# Altium PCB mother_board.PcbDoc (part 4 of 5) (continued)
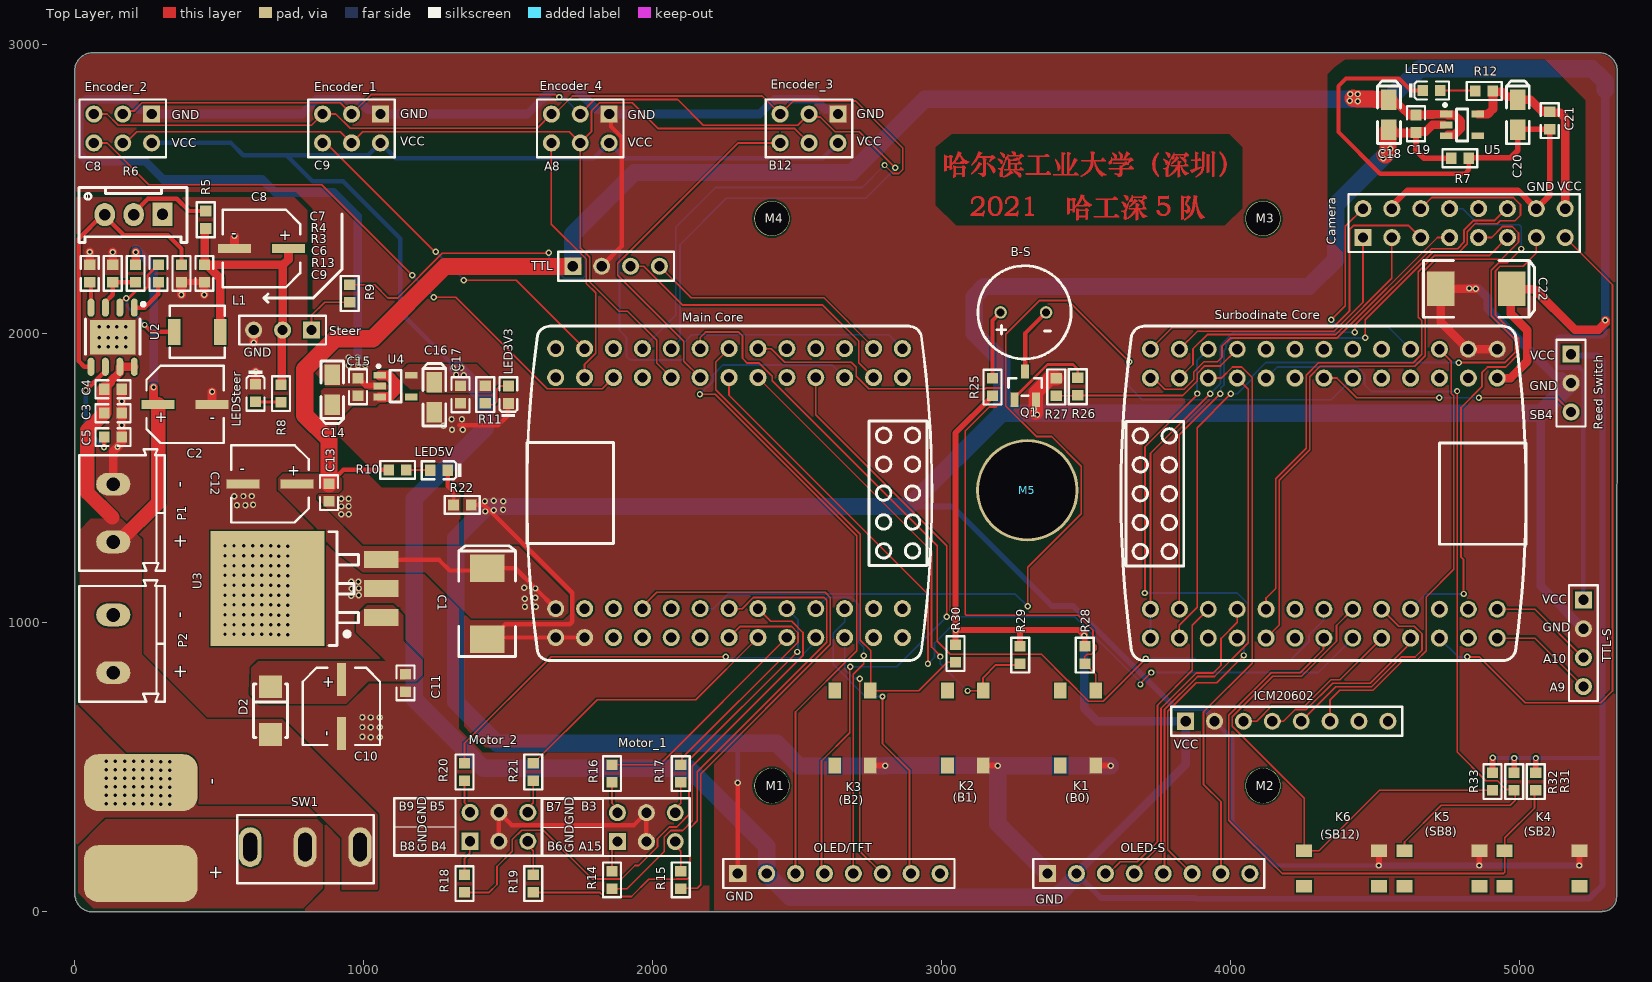
[diagram p0: Top Layer view]
## Nets (pads, with @x,y where several pads share a name; then routed paths per layer and width w, separated by ;. In a path a pad name is that pad's centre, name@x,y a point inside that pad or via, vN(x,y) a via of type N, cw(c..) or ccw(c..) an arc to the next point about the centre after c; other vN are vias at no path point) (continued)
3680.6,2413.35 ; 3672.2,2414.4 3680.6,2414.4 ; 3672.2,2415.45 3680.6,2415.45 ; 3672.2,2416.5 3680.6,2416.5 ; 3672.2,2417.55 3680.6,2417.55 ; 3672.2,2418.6 3680.6,2418.6 ; 3672.2,2419.65 3680.6,2419.65 ; 3672.2,2420.7 3680.6,2420.7 ; 3672.2,2421.75 3680.6,2421.75 ; 3672.2,2422.8 3680.6,2422.8 ; 3672.2,2423.85 3680.6,2423.85 ; 3672.2,2436.45 3680.6,2436.45 ; 3672.2,2437.5 3680.6,2437.5 ; 3672.2,2438.55 3680.6,2438.55 ; 3672.2,2439.6 3680.6,2439.6 ; 3672.2,2440.65 3680.6,2440.65 ; 3672.2,2441.7 3680.6,2441.7 ; 3672.2,2442.75 3680.6,2442.75 ; 3672.2,2443.8 3680.6,2443.8 ; 3672.2,2444.85 3680.6,2444.85 ; 3672.2,2445.9 3681.65,2445.9 ; 3672.2,2446.95 3683.75,2446.95 ; 3672.2,2448 3683.75,2448 ; 3672.2,2449.05 3682.7,2449.05 ; 3672.2,2450.1 3680.6,2450.1 ; 3672.2,2451.15 3677.45,2451.15 ; 3680.6,2463.75 3685.85,2463.75 ; 3680.6,2464.8 3683.75,2464.8 ; 3681.65,2462.7 3689,2462.7 ; 3682.7,2430.15 3685.85,2430.15 ; 3682.7,2431.2 3685.85,2431.2 ; 3682.7,2432.25 3685.85,2432.25 ; 3682.7,2461.65 3691.1,2461.65 ; 3683.75,2425.95 3687.95,2425.95 ; 3683.75,2427 3687.95,2427 ; 3683.75,2428.05 3686.9,2428.05 ; 3683.75,2429.1 3686.9,2429.1 ; 3683.75,2460.6 3694.25,2460.6 ; 3684.8,2422.8 3690.05,2422.8 ; 3684.8,2423.85 3690.05,2423.85 ; 3684.8,2424.9 3689,2424.9 ; 3685.85,2419.65 3693.2,2419.65 ; 3685.85,2420.7 3692.15,2420.7 ; 3685.85,2421.75 3691.1,2421.75 ; 3685.85,2459.55 3696.35,2459.55 ; 3686.9,2417.55 3695.3,2417.55 ; 3686.9,2418.6 3694.25,2418.6 ; 3686.9,2458.5 3697.4,2458.5 ; 3687.95,2415.45 3697.4,2415.45 ; 3687.95,2416.5 3696.35,2416.5 ; 3687.95,2457.45 3699.5,2457.45 ; 3689,2413.35 3700.55,2413.35 ; 3689,2414.4 3698.45,2414.4 ; 3689,2456.4 3700.55,2456.4 ; 3690.05,2412.3 3701.6,2412.3 ; 3690.05,2455.35 3700.55,2455.35 ; 3691.1,2410.2 3705.8,2410.2 ; 3691.1,2411.25 3703.7,2411.25 ; 3691.1,2454.3 3701.6,2454.3 ; 3692.15,2409.15 3707.9,2409.15 ; 3692.15,2453.25 3701.6,2453.25 ; 3693.2,2407.05 3711.05,2407.05 ; 3693.2,2408.1 3710,2408.1 ; 3693.2,2451.15 3701.6,2451.15 ; 3693.2,2452.2 3701.6,2452.2 ; 3693.2,2462.7 3696.35,2462.7 ; 3694.25,2406 3704.75,2406 ; 3694.25,2450.1 3701.6,2450.1 ; 3694.25,2461.65 3695.3,2461.65 ; 3694.25,2463.75 3697.4,2463.75 ; 3694.25,2464.8 3698.45,2464.8 ; 3694.25,2465.85 3699.5,2465.85 ; 3695.3,2404.95 3702.65,2404.95 ; 3695.3,2436.45 3706.85,2436.45 ; 3695.3,2449.05 3701.6,2449.05 ; 3695.3,2466.9 3701.6,2466.9 ; 3695.3,2467.95 3703.7,2467.95 ; 3695.3,2469 3708.95,2469 ; 3696.35,2403.9 3701.6,2403.9 ; 3696.35,2437.5 3705.8,2437.5 ; 3696.35,2438.55 3704.75,2438.55 ; 3696.35,2446.95 3701.6,2446.95 ; 3696.35,2448 3701.6,2448 ; 3696.35,2470.05 3710,2470.05 ; 3696.35,2471.1 3710,2471.1 ; 3696.35,2475.3 3706.85,2475.3 ; 3697.4,2402.85 3700.55,2402.85 ; 3697.4,2439.6 3703.7,2439.6 ; 3697.4,2445.9 3700.55,2445.9 ; 3697.4,2476.35 3705.8,2476.35 ; 3698.45,2440.65 3702.65,2440.65 ; 3698.45,2441.7 3700.55,2441.7 ; 3698.45,2477.4 3704.75,2477.4 ; 3698.45,2478.45 3703.7,2478.45 ; 3699.5,2479.5 3702.65,2479.5 ; 3728.9,2584.5 3738.35,2584.5 ; 3728.9,2585.55 3738.35,2585.55 ; 3728.9,2586.6 3738.35,2586.6 ; 3728.9,2587.65 3738.35,2587.65 ; 3728.9,2588.7 3738.35,2588.7 ; 3728.9,2589.75 3738.35,2589.75 ; 3728.9,2590.8 3738.35,2590.8 ; 3728.9,2591.85 3738.35,2591.85 ; 3729.95,2576.1 3739.4,2576.1 ; 3729.95,2577.15 3739.4,2577.15 ; 3729.95,2578.2 3738.35,2578.2 ; 3729.95,2579.25 3738.35,2579.25 ; 3729.95,2580.3 3738.35,2580.3 ; 3729.95,2581.35 3738.35,2581.35 ; 3729.95,2582.4 3738.35,2582.4 ; 3729.95,2583.45 3738.35,2583.45 ; 3729.95,2592.9 3738.35,2592.9 ; 3729.95,2593.95 3738.35,2593.95 ; 3729.95,2595 3738.35,2595 ; 3729.95,2596.05 3738.35,2596.05 ; 3729.95,2597.1 3739.4,2597.1 ; 3729.95,2598.15 3739.4,2598.15 ; 3731,2571.9 3740.45,2571.9 ; 3731,2572.95 3739.4,2572.95 ; 3731,2574 3739.4,2574 ; 3731,2575.05 3739.4,2575.05 ; 3731,2599.2 3739.4,2599.2 ; 3731,2600.25 3739.4,2600.25 ; 3731,2601.3 3740.45,2601.3 ; 3732.05,2568.75 3740.45,2568.75 ; 3732.05,2569.8 3740.45,2569.8 ; 3732.05,2570.85 3740.45,2570.85 ; 3732.05,2602.35 3740.45,2602.35 ; 3732.05,2603.4 3740.45,2603.4 ; 3732.05,2604.45 3740.45,2604.45 ; 3733.1,2566.65 3741.5,2566.65 ; 3733.1,2567.7 3741.5,2567.7 ; 3733.1,2605.5 3741.5,2605.5 ; 3733.1,2606.55 3741.5,2606.55 ; 3734.15,2564.55 3742.55,2564.55 ; 3734.15,2565.6 3741.5,2565.6 ; 3734.15,2607.6 3741.5,2607.6 ; 3734.15,2608.65 3742.55,2608.65 ; 3735.2,2562.45 3743.6,2562.45 ; 3735.2,2563.5 3742.55,2563.5 ; 3735.2,2609.7 3742.55,2609.7 ; 3735.2,2610.75 3743.6,2610.75 ; 3736.25,2560.35 3744.65,2560.35 ; 3736.25,2561.4 3743.6,2561.4 ; 3736.25,2611.8 3743.6,2611.8 ; 3736.25,2612.85 3744.65,2612.85 ; 3737.3,2559.3 3744.65,2559.3 ; 3737.3,2613.9 3744.65,2613.9 ; 3738.35,2557.2 3745.7,2557.2 ; 3738.35,2558.25 3745.7,2558.25 ; 3738.35,2614.95 3744.65,2614.95 ; 3738.35,2616 3745.7,2616 ; 3739.4,2556.15 3746.75,2556.15 ; 3739.4,2617.05 3746.75,2617.05 ; 3740.45,2555.1 3746.75,2555.1 ; 3740.45,2618.1 3746.75,2618.1 ; 3741.5,2553 3747.8,2553 ; 3741.5,2554.05 3747.8,2554.05 ; 3741.5,2619.15 3747.8,2619.15 ; 3741.5,2620.2 3747.8,2620.2 ; 3742.55,2551.95 3748.85,2551.95 ; 3742.55,2621.25 3748.85,2621.25 ; 3743.6,2550.9 3749.9,2550.9 ; 3743.6,2622.3 3749.9,2622.3 ; 3744.65,2421.75 3755.15,2421.75 ; 3744.65,2422.8 3754.1,2422.8 ; 3744.65,2423.85 3754.1,2423.85 ; 3744.65,2424.9 3753.05,2424.9 ; 3744.65,2425.95 3753.05,2425.95 ; 3744.65,2427 3752,2427 ; 3744.65,2549.85 3749.9,2549.85 ; 3744.65,2623.35 3749.9,2623.35 ; 3745.7,2419.65 3756.2,2419.65 ; 3745.7,2420.7 3755.15,2420.7 ; 3745.7,2428.05 3752,2428.05 ; 3745.7,2548.8 3750.95,2548.8 ; 3745.7,2624.4 3750.95,2624.4 ; 3746.75,2418.6 3757.25,2418.6 ; 3746.75,2547.75 3752,2547.75 ; 3746.75,2625.45 3752,2625.45 ; 3747.8,2417.55 3758.3,2417.55 ; 3747.8,2546.7 3752,2546.7 ; 3747.8,2626.5 3752,2626.5 ; 3748.85,2416.5 3759.35,2416.5 ; 3748.85,2445.9 3752,2445.9 ; 3748.85,2446.95 3756.2,2446.95 ; 3748.85,2448 3784.55,2448 ; 3748.85,2449.05 3782.45,2449.05 ; 3748.85,2450.1 3781.4,2450.1 ; 3748.85,2451.15 3779.3,2451.15 ; 3748.85,2452.2 3777.2,2452.2 ; 3748.85,2453.25 3754.1,2453.25 ; 3748.85,2454.3 3754.1,2454.3 ; 3748.85,2455.35 3754.1,2455.35 ; 3748.85,2456.4 3754.1,2456.4 ; 3748.85,2545.65 3752,2545.65 ; 3748.85,2627.55 3752,2627.55 ; 3749.9,2415.45 3761.45,2415.45 ; 3749.9,2457.45 3754.1,2457.45 ; 3749.9,2458.5 3754.1,2458.5 ; 3749.9,2459.55 3754.1,2459.55 ; 3749.9,2460.6 3754.1,2460.6 ; 3749.9,2461.65 3754.1,2461.65 ; 3749.9,2462.7 3754.1,2462.7 ; 3749.9,2463.75 3754.1,2463.75 ; 3749.9,2464.8 3754.1,2464.8 ; 3749.9,2465.85 3754.1,2465.85 ; 3749.9,2466.9 3754.1,2466.9 ; 3749.9,2467.95 3754.1,2467.95 ; 3749.9,2469 3786.65,2469 ; 3749.9,2470.05 3786.65,2470.05 ; 3749.9,2471.1 3786.65,2471.1 ; 3749.9,2472.15 3786.65,2472.15 ; 3749.9,2473.2 3786.65,2473.2 ; 3749.9,2474.25 3786.65,2474.25 ; 3749.9,2475.3 3786.65,2475.3 ; 3749.9,2476.35 3786.65,2476.35 ; 3750.95,2414.4 3765.65,2414.4 ; 3753.05,2413.35 3780.35,2413.35 ; 3755.15,2412.3 3778.25,2412.3 ; 3758.3,2411.25 3775.1,2411.25 ; 3759.35,2453.25 3771.95,2453.25 ; 3764.6,2410.2 3768.8,2410.2 ; 3766.7,2574 3784.55,2574 ; 3767.75,2572.95 3784.55,2572.95 ; 3767.75,2604.45 3771.95,2604.45 ; 3768.8,2414.4 3781.4,2414.4 ; 3768.8,2603.4 3774.05,2603.4 ; 3768.8,2605.5 3769.85,2605.5 ; 3769.85,2446.95 3785.6,2446.95 ; 3769.85,2602.35 3776.15,2602.35 ; 3770.9,2571.9 3784.55,2571.9 ; 3770.9,2600.25 3780.35,2600.25 ; 3770.9,2601.3 3778.25,2601.3 ; 3771.95,2599.2 3781.4,2599.2 ; 3773,2415.45 3783.5,2415.45 ; 3773,2445.9 3786.65,2445.9 ; 3773,2596.05 3783.5,2596.05 ; 3773,2597.1 3782.45,2597.1 ; 3773,2598.15 3782.45,2598.15 ; 3774.05,2570.85 3783.5,2570.85 ; 3774.05,2593.95 3783.5,2593.95 ; 3774.05,2595 3783.5,2595 ; 3775.1,2416.5 3784.55,2416.5 ; 3775.1,2444.85 3787.7,2444.85 ; 3775.1,2547.75 3784.55,2547.75 ; 3775.1,2548.8 3784.55,2548.8 ; 3775.1,2549.85 3784.55,2549.85 ; 3775.1,2550.9 3784.55,2550.9 ; 3775.1,2551.95 3784.55,2551.95 ; 3775.1,2553 3784.55,2553 ; 3775.1,2554.05 3784.55,2554.05 ; 3775.1,2555.1 3784.55,2555.1 ; 3775.1,2568.75 3783.5,2568.75 ; 3775.1,2569.8 3783.5,2569.8 ; 3775.1,2575.05 3784.55,2575.05 ; 3775.1,2589.75 3781.4,2589.75 ; 3775.1,2590.8 3781.4,2590.8 ; 3775.1,2591.85 3782.45,2591.85 ; 3775.1,2592.9 3782.45,2592.9 ; 3775.1,2627.55 3782.45,2627.55 ; 3775.1,2628.6 3780.35,2628.6 ; 3775.1,2629.65 3776.15,2629.65 ; 3776.15,2546.7 3784.55,2546.7 ; 3776.15,2556.15 3784.55,2556.15 ; 3776.15,2557.2 3784.55,2557.2 ; 3776.15,2558.25 3784.55,2558.25 ; 3776.15,2559.3 3784.55,2559.3 ; 3776.15,2560.35 3784.55,2560.35 ; 3776.15,2561.4 3783.5,2561.4 ; 3776.15,2562.45 3783.5,2562.45 ; 3776.15,2563.5 3783.5,2563.5 ; 3776.15,2564.55 3783.5,2564.55 ; 3776.15,2565.6 3783.5,2565.6 ; 3776.15,2566.65 3783.5,2566.65 ; 3776.15,2567.7 3783.5,2567.7 ; 3776.15,2587.65 3779.3,2587.65 ; 3776.15,2588.7 3780.35,2588.7 ; 3776.15,2626.5 3784.55,2626.5 ; 3777.2,2417.55 3785.6,2417.55 ; 3777.2,2443.8 3787.7,2443.8 ; 3777.2,2545.65 3784.55,2545.65 ; 3777.2,2576.1 3784.55,2576.1 ; 3777.2,2625.45 3786.65,2625.45 ; 3778.25,2418.6 3786.65,2418.6 ; 3778.25,2442.75 3788.75,2442.75 ; 3778.25,2577.15 3785.6,2577.15 ; 3778.25,2623.35 3789.8,2623.35 ; 3778.25,2624.4 3788.75,2624.4 ; 3779.3,2419.65 3786.65,2419.65 ; 3779.3,2420.7 3787.7,2420.7 ; 3779.3,2441.7 3788.75,2441.7 ; 3779.3,2578.2 3785.6,2578.2 ; 3779.3,2622.3 3790.85,2622.3 ; 3780.35,2421.75 3788.75,2421.75 ; 3780.35,2439.6 3789.8,2439.6 ; 3780.35,2440.65 3789.8,2440.65 ; 3780.35,2544.6 3782.45,2544.6 ; 3780.35,2579.25 3785.6,2579.25 ; 3780.35,2580.3 3785.6,2580.3 ; 3780.35,2581.35 3786.65,2581.35 ; 3780.35,2620.2 3790.85,2620.2 ; 3780.35,2621.25 3790.85,2621.25 ; 3781.4,2422.8 3788.75,2422.8 ; 3781.4,2423.85 3789.8,2423.85 ; 3781.4,2437.5 3790.85,2437.5 ; 3781.4,2438.55 3790.85,2438.55 ; 3781.4,2582.4 3786.65,2582.4 ; 3781.4,2583.45 3786.65,2583.45 ; 3781.4,2618.1 3790.85,2618.1 ; 3781.4,2619.15 3790.85,2619.15 ; 3782.45,2424.9 3789.8,2424.9 ; 3782.45,2425.95 3790.85,2425.95 ; 3782.45,2427 3790.85,2427 ; 3782.45,2428.05 3790.85,2428.05 ; 3782.45,2429.1 3790.85,2429.1 ; 3782.45,2432.25 3790.85,2432.25 ; 3782.45,2433.3 3790.85,2433.3 ; 3782.45,2434.35 3790.85,2434.35 ; 3782.45,2435.4 3790.85,2435.4 ; 3782.45,2436.45 3790.85,2436.45 ; 3782.45,2584.5 3787.7,2584.5 ; 3782.45,2585.55 3787.7,2585.55 ; 3782.45,2614.95 3789.8,2614.95 ; 3782.45,2616 3790.85,2616 ; 3782.45,2617.05 3790.85,2617.05 ; 3783.5,2430.15 3790.85,2430.15 ; 3783.5,2431.2 3790.85,2431.2 ; 3783.5,2477.4 3786.65,2477.4 ; 3783.5,2586.6 3787.7,2586.6 ; 3783.5,2587.65 3788.75,2587.65 ; 3783.5,2612.85 3788.75,2612.85 ; 3783.5,2613.9 3789.8,2613.9 ; 3784.55,2588.7 3788.75,2588.7 ; 3784.55,2589.75 3788.75,2589.75 ; 3784.55,2611.8 3787.7,2611.8 ; 3785.6,2590.8 3788.75,2590.8 ; 3785.6,2591.85 3789.8,2591.85 ; 3785.6,2592.9 3789.8,2592.9 ; 3786.65,2547.75 3789.8,2547.75 ; 3786.65,2593.95 3789.8,2593.95 ; 3786.65,2595 3790.85,2595 ; 3787.7,2548.8 3790.85,2548.8 ; 3787.7,2596.05 3790.85,2596.05 ; 3787.7,2597.1 3790.85,2597.1 ; 3788.75,2549.85 3792.95,2549.85 ; 3788.75,2598.15 3791.9,2598.15 ; 3788.75,2599.2 3791.9,2599.2 ; 3789.8,2550.9 3795.05,2550.9 ; 3789.8,2600.25 3791.9,2600.25 ; 3789.8,2601.3 3791.9,2601.3 ; 3789.8,2602.35 3792.95,2602.35 ; 3790.85,2551.95 3796.1,2551.95 ; 3790.85,2603.4 3792.95,2603.4 ; 3790.85,2604.45 3792.95,2604.45 ; 3791.9,2553 3797.15,2553 ; 3791.9,2605.5 3794,2605.5 ; 3792.95,2554.05 3799.25,2554.05 ; 3792.95,2583.45 3852.8,2583.45 ; 3794,2555.1 3800.3,2555.1 ; 3794,2581.35 3852.8,2581.35 ; 3794,2582.4 3852.8,2582.4 ; 3794,2588.7 3796.1,2588.7 ; 3794,2589.75 3797.15,2589.75 ; 3794,2607.6 3802.4,2607.6 ; 3794,2608.65 3803.45,2608.65 ; 3794,2609.7 3804.5,2609.7 ; 3794,2610.75 3805.55,2610.75 ; 3795.05,2556.15 3801.35,2556.15 ; 3795.05,2590.8 3799.25,2590.8 ; 3795.05,2606.55 3801.35,2606.55 ; 3795.05,2611.8 3805.55,2611.8 ; 3796.1,2557.2 3802.4,2557.2 ; 3796.1,2591.85 3800.3,2591.85 ; 3796.1,2612.85 3805.55,2612.85 ; 3797.15,2558.25 3804.5,2558.25 ; 3797.15,2592.9 3801.35,2592.9 ; 3797.15,2613.9 3805.55,2613.9 ; 3798.2,2559.3 3805.55,2559.3 ; 3798.2,2593.95 3803.45,2593.95 ; 3798.2,2614.95 3805.55,2614.95 ; 3798.2,2616 3805.55,2616 ; 3799.25,2560.35 3806.6,2560.35 ; 3799.25,2595 3804.5,2595 ; 3799.25,2617.05 3805.55,2617.05 ; 3800.3,2561.4 3807.65,2561.4 ; 3800.3,2596.05 3805.55,2596.05 ; 3800.3,2597.1 3807.65,2597.1 ; 3800.3,2618.1 3805.55,2618.1 ; 3800.3,2619.15 3805.55,2619.15 ; 3801.35,2562.45 3808.7,2562.45 ; 3801.35,2563.5 3809.75,2563.5 ; 3801.35,2598.15 3808.7,2598.15 ; 3801.35,2620.2 3853.85,2620.2 ; 3801.35,2621.25 3852.8,2621.25 ; 3801.35,2622.3 3851.75,2622.3 ; 3802.4,2564.55 3810.8,2564.55 ; 3802.4,2599.2 3809.75,2599.2 ; 3802.4,2623.35 3805.55,2623.35 ; 3802.4,2624.4 3805.55,2624.4 ; 3802.4,2625.45 3805.55,2625.45 ; 3802.4,2626.5 3805.55,2626.5 ; 3802.4,2627.55 3805.55,2627.55 ; 3803.45,2565.6 3811.85,2565.6 ; 3803.45,2600.25 3810.8,2600.25 ; 3804.5,2566.65 3811.85,2566.65 ; 3804.5,2601.3 3811.85,2601.3 ; 3804.5,2602.35 3812.9,2602.35 ; 3805.55,2567.7 3812.9,2567.7 ; 3805.55,2568.75 3813.95,2568.75 ; 3805.55,2603.4 3813.95,2603.4 ; 3806.6,2569.8 3815,2569.8 ; 3806.6,2604.45 3815,2604.45 ; 3806.6,2605.5 3816.05,2605.5 ; 3807.65,2570.85 3816.05,2570.85 ; 3807.65,2606.55 3817.1,2606.55 ; 3808.7,2571.9 3816.05,2571.9 ; 3808.7,2572.95 3824.45,2572.95 ; 3808.7,2607.6 3821.3,2607.6 ; 3808.7,2608.65 3821.3,2608.65 ; 3809.75,2574 3824.45,2574 ; 3809.75,2609.7 3821.3,2609.7 ; 3810.8,2575.05 3824.45,2575.05 ; 3810.8,2576.1 3824.45,2576.1 ; 3810.8,2610.75 3819.2,2610.75 ; 3810.8,2611.8 3818.15,2611.8 ; 3811.85,2577.15 3824.45,2577.15 ; 3811.85,2612.85 3816.05,2612.85 ; 3811.85,2613.9 3815,2613.9 ; 3812.9,2578.2 3824.45,2578.2 ; 3812.9,2579.25 3824.45,2579.25 ; 3813.95,2580.3 3824.45,2580.3 ; 3817.1,2543.55 3820.25,2543.55 ; 3817.1,2544.6 3823.4,2544.6 ; 3817.1,2545.65 3824.45,2545.65 ; 3817.1,2546.7 3825.5,2546.7 ; 3817.1,2547.75 3825.5,2547.75 ; 3817.1,2548.8 3825.5,2548.8 ; 3817.1,2549.85 3825.5,2549.85 ; 3817.1,2550.9 3824.45,2550.9 ; 3817.1,2551.95 3824.45,2551.95 ; 3817.1,2553 3824.45,2553 ; 3817.1,2554.05 3824.45,2554.05 ; 3817.1,2555.1 3824.45,2555.1 ; 3817.1,2556.15 3824.45,2556.15 ; 3817.1,2557.2 3824.45,2557.2 ; 3817.1,2558.25 3824.45,2558.25 ; 3817.1,2559.3 3824.45,2559.3 ; 3817.1,2560.35 3824.45,2560.35 ; 3817.1,2561.4 3824.45,2561.4 ; 3817.1,2562.45 3824.45,2562.45 ; 3817.1,2563.5 3824.45,2563.5 ; 3817.1,2564.55 3824.45,2564.55 ; 3817.1,2565.6 3824.45,2565.6 ; 3817.1,2566.65 3824.45,2566.65 ; 3817.1,2567.7 3824.45,2567.7 ; 3817.1,2568.75 3824.45,2568.75 ; 3817.1,2569.8 3824.45,2569.8 ; 3817.1,2570.85 3824.45,2570.85 ; 3817.1,2571.9 3824.45,2571.9 ; 3817.1,2584.5 3824.45,2584.5 ; 3817.1,2585.55 3824.45,2585.55 ; 3817.1,2586.6 3824.45,2586.6 ; 3817.1,2587.65 3824.45,2587.65 ; 3817.1,2588.7 3824.45,2588.7 ; 3817.1,2589.75 3824.45,2589.75 ; 3817.1,2590.8 3824.45,2590.8 ; 3817.1,2591.85 3824.45,2591.85 ; 3817.1,2592.9 3825.5,2592.9 ; 3817.1,2593.95 3826.55,2593.95 ; 3817.1,2595 3828.65,2595 ; 3817.1,2596.05 3828.65,2596.05 ; 3817.1,2597.1 3827.6,2597.1 ; 3817.1,2598.15 3825.5,2598.15 ; 3817.1,2599.2 3821.3,2599.2 ; 3824.45,2612.85 3827.6,2612.85 ; 3825.5,2611.8 3830.75,2611.8 ; 3826.55,2610.75 3833.9,2610.75 ; 3827.6,2577.15 3831.8,2577.15 ; 3827.6,2578.2 3830.75,2578.2 ; 3827.6,2579.25 3830.75,2579.25 ; 3827.6,2580.3 3829.7,2580.3 ; 3827.6,2609.7 3836,2609.7 ; 3828.65,2397.6 3833.9,2397.6 ; 3828.65,2398.65 3836,2398.65 ; 3828.65,2477.4 3832.85,2477.4 ; 3828.65,2478.45 3829.7,2478.45 ; 3828.65,2572.95 3833.9,2572.95 ; 3828.65,2574 3832.85,2574 ; 3828.65,2575.05 3832.85,2575.05 ; 3828.65,2576.1 3831.8,2576.1 ; 3828.65,2608.65 3838.1,2608.65 ; 3829.7,2396.55 3830.75,2396.55 ; 3829.7,2399.7 3837.05,2399.7 ; 3829.7,2400.75 3837.05,2400.75 ; 3829.7,2401.8 3837.05,2401.8 ; 3829.7,2402.85 3837.05,2402.85 ; 3829.7,2403.9 3837.05,2403.9 ; 3829.7,2404.95 3837.05,2404.95 ; 3829.7,2406 3837.05,2406 ; 3829.7,2407.05 3837.05,2407.05 ; 3829.7,2408.1 3837.05,2408.1 ; 3829.7,2409.15 3837.05,2409.15 ; 3829.7,2410.2 3837.05,2410.2 ; 3829.7,2411.25 3837.05,2411.25 ; 3829.7,2412.3 3837.05,2412.3 ; 3829.7,2413.35 3837.05,2413.35 ; 3829.7,2414.4 3837.05,2414.4 ; 3829.7,2415.45 3837.05,2415.45 ; 3829.7,2416.5 3837.05,2416.5 ; 3829.7,2417.55 3837.05,2417.55 ; 3829.7,2418.6 3837.05,2418.6 ; 3829.7,2419.65 3837.05,2419.65 ; 3829.7,2420.7 3837.05,2420.7 ; 3829.7,2421.75 3837.05,2421.75 ; 3829.7,2422.8 3837.05,2422.8 ; 3829.7,2423.85 3837.05,2423.85 ; 3829.7,2424.9 3837.05,2424.9 ; 3829.7,2425.95 3837.05,2425.95 ; 3829.7,2427 3837.05,2427 ; 3829.7,2428.05 3837.05,2428.05 ; 3829.7,2429.1 3837.05,2429.1 ; 3829.7,2430.15 3837.05,2430.15 ; 3829.7,2431.2 3837.05,2431.2 ; 3829.7,2432.25 3837.05,2432.25 ; 3829.7,2433.3 3837.05,2433.3 ; 3829.7,2434.35 3837.05,2434.35 ; 3829.7,2435.4 3837.05,2435.4 ; 3829.7,2436.45 3837.05,2436.45 ; 3829.7,2437.5 3837.05,2437.5 ; 3829.7,2438.55 3837.05,2438.55 ; 3829.7,2439.6 3837.05,2439.6 ; 3829.7,2440.65 3837.05,2440.65 ; 3829.7,2441.7 3837.05,2441.7 ; 3829.7,2442.75 3837.05,2442.75 ; 3829.7,2443.8 3837.05,2443.8 ; 3829.7,2444.85 3837.05,2444.85 ; 3829.7,2445.9 3837.05,2445.9 ; 3829.7,2446.95 3837.05,2446.95 ; 3829.7,2448 3837.05,2448 ; 3829.7,2449.05 3837.05,2449.05 ; 3829.7,2450.1 3837.05,2450.1 ; 3829.7,2451.15 3837.05,2451.15 ; 3829.7,2452.2 3837.05,2452.2 ; 3829.7,2453.25 3837.05,2453.25 ; 3829.7,2454.3 3837.05,2454.3 ; 3829.7,2455.35 3837.05,2455.35 ; 3829.7,2456.4 3837.05,2456.4 ; 3829.7,2457.45 3837.05,2457.45 ; 3829.7,2458.5 3837.05,2458.5 ; 3829.7,2459.55 3837.05,2459.55 ; 3829.7,2460.6 3837.05,2460.6 ; 3829.7,2461.65 3837.05,2461.65 ; 3829.7,2462.7 3837.05,2462.7 ; 3829.7,2463.75 3837.05,2463.75 ; 3829.7,2464.8 3837.05,2464.8 ; 3829.7,2465.85 3837.05,2465.85 ; 3829.7,2466.9 3837.05,2466.9 ; 3829.7,2467.95 3837.05,2467.95 ; 3829.7,2469 3837.05,2469 ; 3829.7,2470.05 3837.05,2470.05 ; 3829.7,2471.1 3837.05,2471.1 ; 3829.7,2472.15 3862.25,2472.15 ; 3829.7,2473.2 3862.25,2473.2 ; 3829.7,2474.25 3861.2,2474.25 ; 3829.7,2475.3 3838.1,2475.3 ; 3829.7,2476.35 3836,2476.35 ; 3829.7,2569.8 3836,2569.8 ; 3829.7,2570.85 3834.95,2570.85 ; 3829.7,2571.9 3834.95,2571.9 ; 3829.7,2607.6 3840.2,2607.6 ; 3830.75,2567.7 3838.1,2567.7 ; 3830.75,2568.75 3837.05,2568.75 ; 3830.75,2606.55 3842.3,2606.55 ; 3831.8,2564.55 3841.25,2564.55 ; 3831.8,2565.6 3840.2,2565.6 ; 3831.8,2566.65 3839.15,2566.65 ; 3831.8,2605.5 3843.35,2605.5 ; 3832.85,2563.5 3842.3,2563.5 ; 3832.85,2604.45 3844.4,2604.45 ; 3833.9,2561.4 3844.4,2561.4 ; 3833.9,2562.45 3843.35,2562.45 ; 3833.9,2603.4 3845.45,2603.4 ; 3834.95,2559.3 3848.6,2559.3 ; 3834.95,2560.35 3846.5,2560.35 ; 3834.95,2602.35 3846.5,2602.35 ; 3836,2558.25 3850.7,2558.25 ; 3836,2601.3 3846.5,2601.3 ; 3837.05,2556.15 3854.9,2556.15 ; 3837.05,2557.2 3852.8,2557.2 ; 3837.05,2600.25 3846.5,2600.25 ; 3838.1,2428.05 3842.3,2428.05 ; 3838.1,2555.1 3854.9,2555.1 ; 3838.1,2599.2 3846.5,2599.2 ; 3838.1,2609.7 3840.2,2609.7 ; 3838.1,2610.75 3841.25,2610.75 ; 3838.1,2611.8 3842.3,2611.8 ; 3839.15,2427 3859.1,2427 ; 3839.15,2554.05 3849.65,2554.05 ; 3839.15,2598.15 3846.5,2598.15 ; 3839.15,2612.85 3843.35,2612.85 ; 3839.15,2613.9 3844.4,2613.9 ; 3839.15,2614.95 3845.45,2614.95 ; 3840.2,2395.5 3842.3,2395.5 ; 3840.2,2396.55 3844.4,2396.55 ; 3840.2,2553 3847.55,2553 ; 3840.2,2584.5 3851.75,2584.5 ; 3840.2,2585.55 3850.7,2585.55 ; 3840.2,2596.05 3846.5,2596.05 ; 3840.2,2597.1 3846.5,2597.1 ; 3840.2,2616 3847.55,2616 ; 3840.2,2617.05 3853.85,2617.05 ; 3840.2,2618.1 3854.9,2618.1 ; 3841.25,2397.6 3845.45,2397.6 ; 3841.25,2425.95 3859.1,2425.95 ; 3841.25,2551.95 3846.5,2551.95 ; 3841.25,2586.6 3849.65,2586.6 ; 3841.25,2595 3845.45,2595 ; 3841.25,2619.15 3854.9,2619.15 ; 3841.25,2623.35 3851.75,2623.35 ; 3842.3,2398.65 3847.55,2398.65 ; 3842.3,2450.1 3846.5,2450.1 ; 3842.3,2550.9 3845.45,2550.9 ; 3842.3,2587.65 3848.6,2587.65 ; 3842.3,2588.7 3846.5,2588.7 ; 3842.3,2593.95 3845.45,2593.95 ; 3842.3,2624.4 3850.7,2624.4 ; 3842.3,2625.45 3849.65,2625.45 ; 3843.35,2399.7 3849.65,2399.7 ; 3843.35,2424.9 3858.05,2424.9 ; 3843.35,2449.05 3848.6,2449.05 ; 3843.35,2451.15 3847.55,2451.15 ; 3843.35,2452.2 3847.55,2452.2 ; 3843.35,2453.25 3848.6,2453.25 ; 3843.35,2589.75 3845.45,2589.75 ; 3843.35,2626.5 3848.6,2626.5 ; 3844.4,2423.85 3857,2423.85 ; 3844.4,2448 3849.65,2448 ; 3844.4,2454.3 3849.65,2454.3 ; 3844.4,2455.35 3849.65,2455.35 ; 3844.4,2627.55 3846.5,2627.55 ; 3845.45,2400.75 3850.7,2400.75 ; 3845.45,2421.75 3855.95,2421.75 ; 3845.45,2422.8 3857,2422.8 ; 3845.45,2446.95 3851.75,2446.95 ; 3845.45,2456.4 3850.7,2456.4 ; 3845.45,2457.45 3850.7,2457.45 ; 3845.45,2458.5 3851.75,2458.5 ; 3846.5,2401.8 3852.8,2401.8 ; 3846.5,2418.6 3850.7,2418.6 ; 3846.5,2419.65 3852.8,2419.65 ; 3846.5,2420.7 3853.85,2420.7 ; 3846.5,2445.9 3852.8,2445.9 ; 3846.5,2459.55 3852.8,2459.55 ; 3846.5,2460.6 3852.8,2460.6 ; 3846.5,2461.65 3853.85,2461.65 ; 3847.55,2402.85 3853.85,2402.85 ; 3847.55,2428.05 3859.1,2428.05 ; 3847.55,2443.8 3854.9,2443.8 ; 3847.55,2444.85 3853.85,2444.85 ; 3847.55,2462.7 3853.85,2462.7 ; 3847.55,2463.75 3854.9,2463.75 ; 3847.55,2464.8 3854.9,2464.8 ; 3848.6,2403.9 3855.95,2403.9 ; 3848.6,2442.75 3855.95,2442.75 ; 3848.6,2465.85 3855.95,2465.85 ; 3848.6,2466.9 3857,2466.9 ; 3848.6,2467.95 3857,2467.95 ; 3848.6,2469 3858.05,2469 ; 3849.65,2404.95 3857,2404.95 ; 3849.65,2429.1 3860.15,2429.1 ; 3849.65,2440.65 3857,2440.65 ; 3849.65,2441.7 3857,2441.7 ; 3849.65,2470.05 3859.1,2470.05 ; 3849.65,2471.1 3861.2,2471.1 ; 3849.65,2475.3 3859.1,2475.3 ; 3850.7,2406 3858.05,2406 ; 3850.7,2430.15 3860.15,2430.15 ; 3850.7,2431.2 3860.15,2431.2 ; 3850.7,2437.5 3859.1,2437.5 ; 3850.7,2438.55 3858.05,2438.55 ; 3850.7,2439.6 3858.05,2439.6 ; 3850.7,2476.35 3858.05,2476.35 ; 3851.75,2407.05 3860.15,2407.05 ; 3851.75,2432.25 3860.15,2432.25 ; 3851.75,2433.3 3860.15,2433.3 ; 3851.75,2434.35 3860.15,2434.35 ; 3851.75,2435.4 3860.15,2435.4 ; 3851.75,2436.45 3859.1,2436.45 ; 3851.75,2477.4 3855.95,2477.4 ; 3851.75,2478.45 3853.85,2478.45 ; 3852.8,2408.1 3861.2,2408.1 ; 3853.85,2409.15 3862.25,2409.15 ; 3854.9,2410.2 3863.3,2410.2 ; 3855.95,2411.25 3864.35,2411.25 ; 3857,2412.3 3865.4,2412.3 ; 3858.05,2413.35 3865.4,2413.35 ; 3858.05,2414.4 3866.45,2414.4 ; 3859.1,2415.45 3867.5,2415.45 ; 3860.15,2416.5 3868.55,2416.5 ; 3860.15,2417.55 3868.55,2417.55 ; 3861.2,2418.6 3869.6,2418.6 ; 3861.2,2419.65 3869.6,2419.65 ; 3861.2,2566.65 3879.05,2566.65 ; 3862.25,2420.7 3870.65,2420.7 ; 3862.25,2421.75 3870.65,2421.75 ; 3862.25,2564.55 3875.9,2564.55 ; 3862.25,2565.6 3878,2565.6 ; 3862.25,2567.7 3881.15,2567.7 ; 3863.3,2422.8 3871.7,2422.8 ; 3863.3,2423.85 3871.7,2423.85 ; 3863.3,2562.45 3872.75,2562.45 ; 3863.3,2563.5 3873.8,2563.5 ; 3863.3,2601.3 3899,2601.3 ; 3863.3,2602.35 3899,2602.35 ; 3864.35,2424.9 3872.75,2424.9 ; 3864.35,2425.95 3872.75,2425.95 ; 3864.35,2427 3872.75,2427 ; 3864.35,2560.35 3869.6,2560.35 ; 3864.35,2561.4 3870.65,2561.4 ; 3864.35,2600.25 3899,2600.25 ; 3865.4,2428.05 3873.8,2428.05 ; 3865.4,2429.1 3873.8,2429.1 ; 3865.4,2430.15 3873.8,2430.15 ; 3865.4,2559.3 3868.55,2559.3 ; 3865.4,2568.75 3883.25,2568.75 ; 3866.45,2431.2 3873.8,2431.2 ; 3866.45,2432.25 3874.85,2432.25 ; 3866.45,2433.3 3874.85,2433.3 ; 3866.45,2434.35 3874.85,2434.35 ; 3866.45,2558.25 3867.5,2558.25 ; 3867.5,2435.4 3874.85,2435.4 ; 3867.5,2436.45 3875.9,2436.45 ; 3867.5,2437.5 3875.9,2437.5 ; 3867.5,2438.55 3875.9,2438.55 ; 3867.5,2439.6 3875.9,2439.6 ; 3868.55,2440.65 3875.9,2440.65 ; 3868.55,2441.7 3876.95,2441.7 ; 3868.55,2442.75 3876.95,2442.75 ; 3868.55,2443.8 3876.95,2443.8 ; 3868.55,2444.85 3876.95,2444.85 ; 3868.55,2445.9 3876.95,2445.9 ; 3868.55,2446.95 3876.95,2446.95 ; 3869.6,2448 3878,2448 ; 3869.6,2449.05 3878,2449.05 ; 3869.6,2450.1 3878,2450.1 ; 3869.6,2451.15 3878,2451.15 ; 3869.6,2452.2 3878,2452.2 ; 3869.6,2453.25 3878,2453.25 ; 3869.6,2454.3 3879.05,2454.3 ; 3869.6,2455.35 3879.05,2455.35 ; 3869.6,2569.8 3885.35,2569.8 ; 3870.65,2456.4 3879.05,2456.4 ; 3870.65,2457.45 3879.05,2457.45 ; 3870.65,2458.5 3879.05,2458.5 ; 3870.65,2459.55 3879.05,2459.55 ; 3870.65,2460.6 3879.05,2460.6 ; 3870.65,2461.65 3879.05,2461.65 ; 3870.65,2462.7 3879.05,2462.7 ; 3870.65,2463.75 3882.2,2463.75 ; 3870.65,2464.8 3882.2,2464.8 ; 3870.65,2465.85 3882.2,2465.85 ; 3871.7,2466.9 3882.2,2466.9 ; 3871.7,2467.95 3882.2,2467.95 ; 3871.7,2469 3882.2,2469 ; 3871.7,2470.05 3882.2,2470.05 ; 3871.7,2471.1 3882.2,2471.1 ; 3871.7,2472.15 3882.2,2472.15 ; 3871.7,2473.2 3882.2,2473.2 ; 3871.7,2474.25 3883.25,2474.25 ; 3871.7,2475.3 3885.35,2475.3 ; 3871.7,2476.35 3885.35,2476.35 ; 3871.7,2477.4 3883.25,2477.4 ; 3871.7,2478.45 3879.05,2478.45 ; 3871.7,2479.5 3874.85,2479.5 ; 3872.75,2570.85 3887.45,2570.85 ; 3875.9,2571.9 3889.55,2571.9 ; 3876.95,2572.95 3891.65,2572.95 ; 3876.95,2574 3892.7,2574 ; 3876.95,2575.05 3884.3,2575.05 ; 3876.95,2576.1 3884.3,2576.1 ; 3876.95,2577.15 3884.3,2577.15 ; 3876.95,2578.2 3884.3,2578.2 ; 3876.95,2579.25 3884.3,2579.25 ; 3876.95,2580.3 3884.3,2580.3 ; 3876.95,2581.35 3884.3,2581.35 ; 3876.95,2582.4 3884.3,2582.4 ; 3876.95,2583.45 3884.3,2583.45 ; 3876.95,2584.5 3884.3,2584.5 ; 3876.95,2585.55 3884.3,2585.55 ; 3876.95,2586.6 3884.3,2586.6 ; 3876.95,2587.65 3884.3,2587.65 ; 3876.95,2588.7 3884.3,2588.7 ; 3876.95,2589.75 3884.3,2589.75 ; 3876.95,2590.8 3884.3,2590.8 ; 3876.95,2591.85 3884.3,2591.85 ; 3876.95,2592.9 3884.3,2592.9 ; 3876.95,2593.95 3884.3,2593.95 ; 3876.95,2595 3884.3,2595 ; 3876.95,2596.05 3884.3,2596.05 ; 3876.95,2597.1 3884.3,2597.1 ; 3876.95,2598.15 3884.3,2598.15 ; 3876.95,2599.2 3884.3,2599.2 ; 3876.95,2603.4 3884.3,2603.4 ; 3876.95,2604.45 3884.3,2604.45 ; 3876.95,2605.5 3884.3,2605.5 ; 3876.95,2606.55 3884.3,2606.55 ; 3876.95,2607.6 3884.3,2607.6 ; 3876.95,2608.65 3884.3,2608.65 ; 3876.95,2609.7 3884.3,2609.7 ; 3876.95,2610.75 3884.3,2610.75 ; 3876.95,2611.8 3884.3,2611.8 ; 3876.95,2612.85 3884.3,2612.85 ; 3876.95,2613.9 3884.3,2613.9 ; 3876.95,2614.95 3884.3,2614.95 ; 3876.95,2616 3884.3,2616 ; 3876.95,2617.05 3884.3,2617.05 ; 3876.95,2618.1 3884.3,2618.1 ; 3876.95,2619.15 3884.3,2619.15 ; 3876.95,2620.2 3884.3,2620.2 ; 3876.95,2621.25 3884.3,2621.25 ; 3876.95,2622.3 3884.3,2622.3 ; 3876.95,2623.35 3884.3,2623.35 ; 3876.95,2624.4 3886.4,2624.4 ; 3876.95,2625.45 3887.45,2625.45 ; 3876.95,2626.5 3887.45,2626.5 ; 3876.95,2627.55 3886.4,2627.55 ; 3876.95,2628.6 3883.25,2628.6 ; 3876.95,2629.65 3880.1,2629.65 ; 3880.1,2452.2 3884.3,2452.2 ; 3880.1,2453.25 3884.3,2453.25 ; 3880.1,2454.3 3884.3,2454.3 ; 3880.1,2455.35 3883.25,2455.35 ; 3880.1,2456.4 3883.25,2456.4 ; 3880.1,2457.45 3883.25,2457.45 ; 3880.1,2458.5 3883.25,2458.5 ; 3880.1,2459.55 3883.25,2459.55 ; 3880.1,2460.6 3883.25,2460.6 ; 3880.1,2461.65 3883.25,2461.65 ; 3880.1,2462.7 3882.2,2462.7 ; 3880.1,2543.55 3882.2,2543.55 ; 3880.1,2544.6 3883.25,2544.6 ; 3881.15,2439.6 3886.4,2439.6 ; 3881.15,2440.65 3886.4,2440.65 ; 3881.15,2441.7 3886.4,2441.7 ; 3881.15,2442.75 3886.4,2442.75 ; 3881.15,2443.8 3885.35,2443.8 ; 3881.15,2444.85 3885.35,2444.85 ; 3881.15,2445.9 3885.35,2445.9 ; 3881.15,2446.95 3885.35,2446.95 ; 3881.15,2448 3885.35,2448 ; 3881.15,2449.05 3884.3,2449.05 ; 3881.15,2450.1 3884.3,2450.1 ; 3881.15,2451.15 3884.3,2451.15 ; 3881.15,2545.65 3885.35,2545.65 ; 3882.2,2432.25 3889.55,2432.25 ; 3882.2,2433.3 3888.5,2433.3 ; 3882.2,2434.35 3888.5,2434.35 ; 3882.2,2435.4 3888.5,2435.4 ; 3882.2,2436.45 3887.45,2436.45 ; 3882.2,2437.5 3887.45,2437.5 ; 3882.2,2438.55 3887.45,2438.55 ; 3883.25,2427 3891.65,2427 ; 3883.25,2428.05 3890.6,2428.05 ; 3883.25,2429.1 3890.6,2429.1 ; 3883.25,2430.15 3889.55,2430.15 ; 3883.25,2431.2 3889.55,2431.2 ; 3883.25,2546.7 3887.45,2546.7 ; 3884.3,2422.8 3893.75,2422.8 ; 3884.3,2423.85 3892.7,2423.85 ; 3884.3,2424.9 3892.7,2424.9 ; 3884.3,2425.95 3891.65,2425.95 ; 3884.3,2547.75 3888.5,2547.75 ; 3885.35,2419.65 3894.8,2419.65 ; 3885.35,2420.7 3894.8,2420.7 ; 3885.35,2421.75 3893.75,2421.75 ; 3885.35,2548.8 3890.6,2548.8 ; 3886.4,2416.5 3896.9,2416.5 ; 3886.4,2417.55 3896.9,2417.55 ; 3886.4,2418.6 3895.85,2418.6 ; 3886.4,2549.85 3891.65,2549.85 ; 3886.4,2575.05 3894.8,2575.05 ; 3887.45,2414.4 3899,2414.4 ; 3887.45,2415.45 3897.95,2415.45 ; 3887.45,2550.9 3892.7,2550.9